# KiCad board HVC-CPU-GPM-02.kicad_pcb (continued)
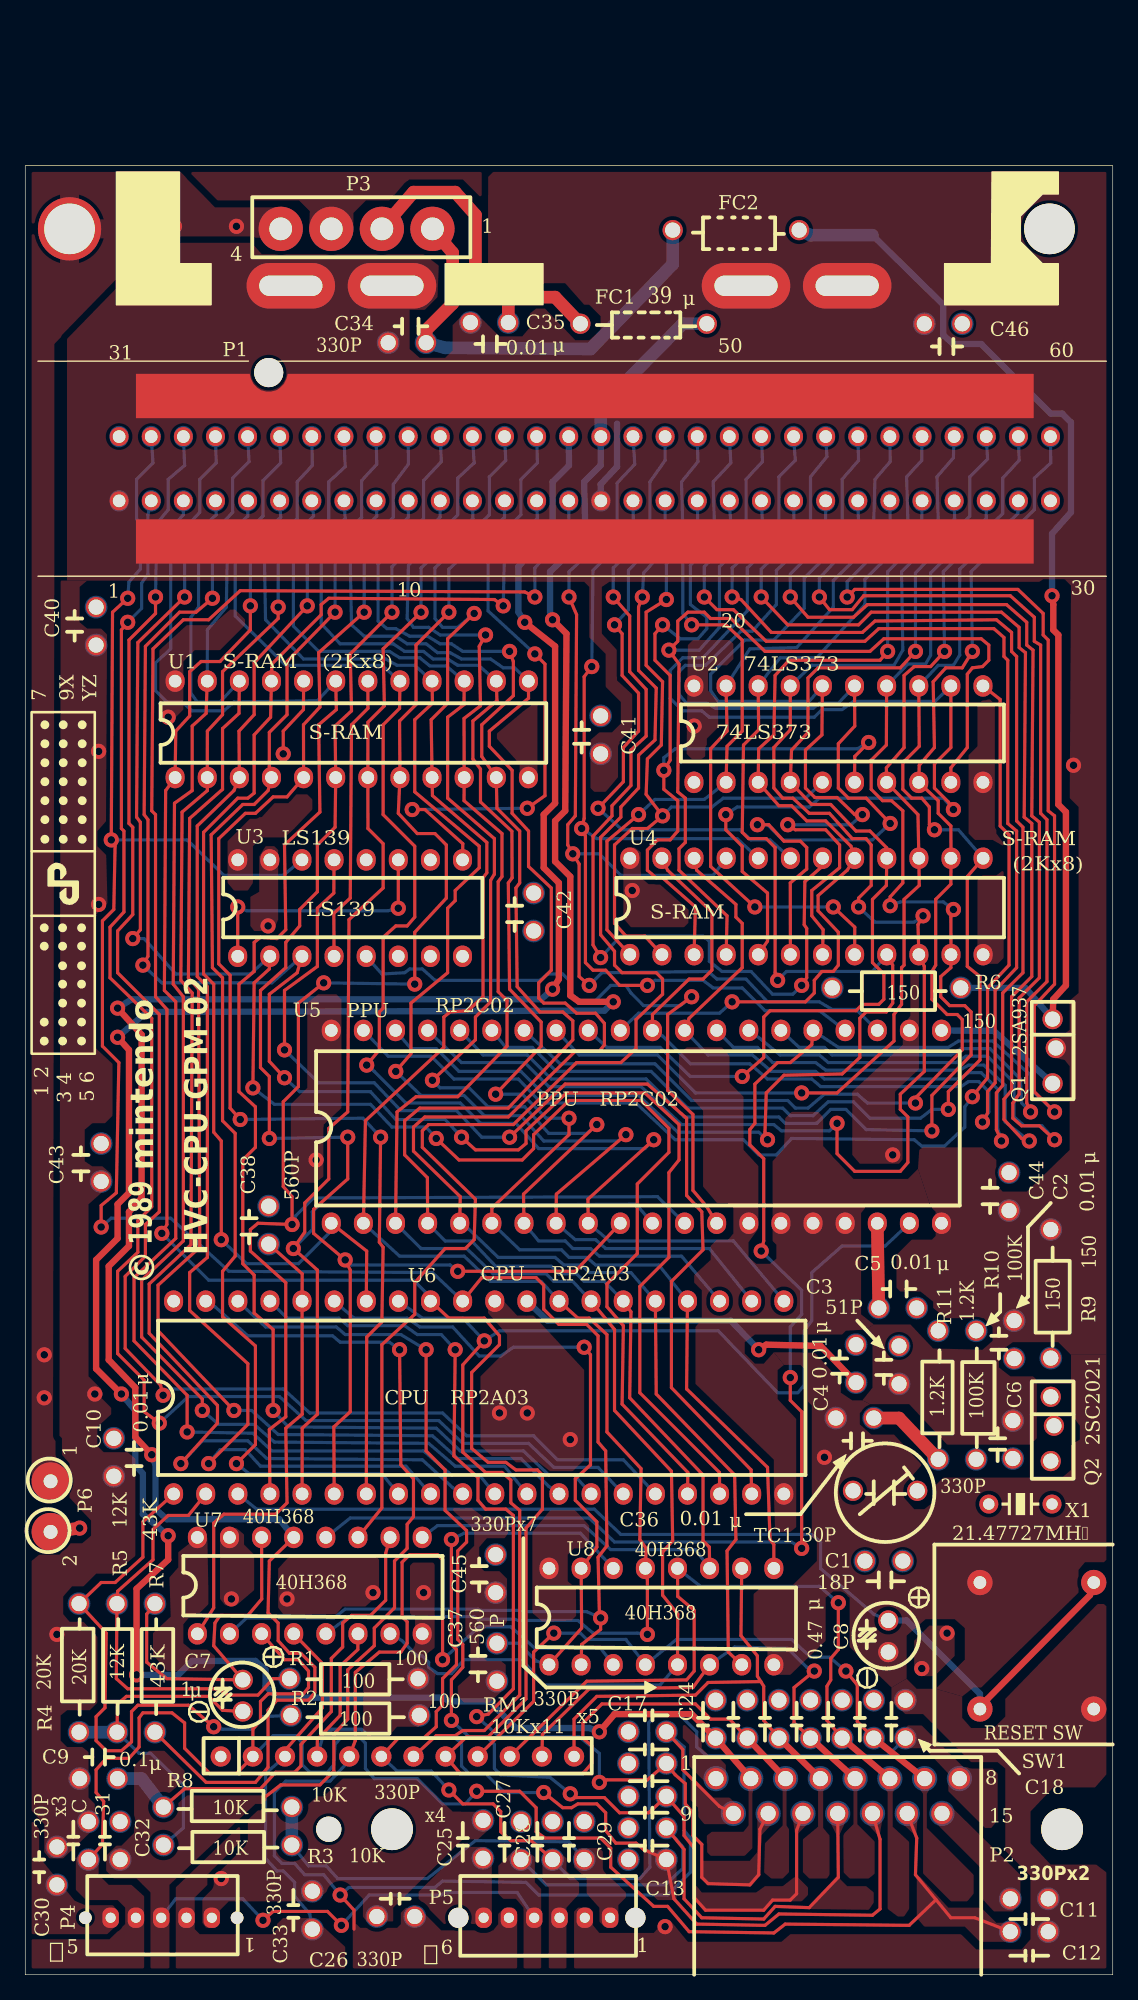
[diagram p0: board, top side]
## Copper pours and planes (outline as drawn; the poured copper is in the pictures) (continued)
+5V on Top: 21,63.2 21,68.8 22.3,70.1 22.3,76.8 23.1,77.5 24.6,77.5 25,77.1 25,68.5 23.6,67.2 23.6,63.1 22.9,62.6 21.7,62.6
+5V on Top: 12.45,143 15.2,140.25 21.65,140.25 22.5,139.4 22.45,138 25.95,138 25.95,139.25 26.95,140.25 28.95,140.25 30.35,141.9 34.6,141.9 36.1,140.4 36.1,143
+5V on Top: 47.3,83.5 47.9,82.8 52.1,82.8 52.5,83.2 52.5,84.2 50.4,86.2 49.3,86.2 48.7,86.7 48.7,88.7 48.2,89.1 47.6,89.1 47.3,88.9
+5V on Bottom: 70.7,75.9 70.7,74.6 69.1,74.6 69.1,75.4 68.5,76 67.3,76 66,77.2 63.8,77.2 63.8,78.8 67.7,78.8
+5V on Bottom: 2.8,106 2.8,95.6 4.8,95.6 4.8,97.3 5.3,97.7 17,97.7 17.6,98.4 49,98.4 50,97.4 65.2,97.4 66.2,98.4 67.5,98.4 67.9,98 83.1,98 84,97 86,97 86,143 25.4,143 22.6,139.9 22.5,137.9 26,137.9 26,139.2 27.3,140.5 33.4,140.5 35.5,138.4 49.8,138.5 50.4,139.1 51.9,139.1 52.4,138.6 52.4,137.5 52.9,137 59.3,137 59.7,137.5 59.7,138.5 60.4,139.1 62.1,139.1 62.7,138.5 67.2,138.5 73.3,132.3 73.3,130.5 74.2,129.6 76,129.6 81.4,124.3 82.4,124.3 83.5,123.3 83.5,115 82.4,113.7 82.4,108.5 81.9,107.8 80.9,107.8 80,108.5 80,113.7 81.7,115.5 81.7,116.5 80.4,116.5 80.4,115.8 76.2,111.7 76.3,104.2 77.3,103.3 77.3,101.5 76.7,100.8 73.1,100.8 72.6,100.3 65.8,100.3 64.9,99.5 63.2,99.5 62.6,99 53.6,99 53.1,99.5 51.5,99.5 50.3,100.7 50.3,103.5 49.7,104.1 49.7,105.7 49,106.4 47.9,106.4 45.7,104.4 45.7,103.2 45.1,102.4 44.6,102.4 43.9,102.9 43.9,103.8 44.1,104.2 44.1,106 43.8,106.2 42,106.2 41.5,105.5 41.5,101.4 40.9,100.7 24.2,100.7 23.7,100.2 16.8,100.2 16.1,99.5 12.6,99.5 11.9,100.1 10.4,100.1 9.6,100.9 9.6,105.3 9,105.8 6.9,105.8 6.9,104.3 6.3,103.8 4.9,103.8 4.4,104.3 4.4,106
+5V on Bottom: 44.8,127 44.8,124.7 43.4,123.4 9.6,123.4 8.8,122.7 8.8,121.7 6.3,119.5 6.3,115.8 8.5,113.9 8.5,111.2 7,109.8 7,106.4 7.6,105.8 6.9,105.8 6.4,106.4 5,106.4 4.4,106 2.8,106 2.8,128.6 3.3,129 7.7,129 11.5,132.9 14.3,132.9 18,129.4 21.7,129.4 23.7,127.4 44.4,127.4
+5V on Bottom: 0,0 0,30.9 3.8,30.9 2.9,30.2 2.9,29.2 1.5,27.9 1.5,25.9 3,24.3 6.4,24.3 8,22.7 12.4,22.7 13.6,24 15.3,24 15.7,23.6 15.7,21.3 15.4,20.9 14.6,20.9 14,20.4 14,19 15.5,17.7 15.5,17.2 18.5,14.4 18.5,8.7 19.6,7.6 19.9,7.6 20.7,6.8 20.7,5.9 21.4,5.1 21.4,2.9 19.2,3.1 19.8,3.7 19.8,4.9 19,5.6 18.5,5.6 16.8,7.3 16.8,8.6 13.1,12.3 13,15.3 11.6,16.8 11.6,20 11.1,20.6 3.5,20.6 3,20.1 3,14.3 1.2,12.4 1.2,9.5 2,8.6 3.1,8.5 3.6,8 3.5,3.9 4.2,3.3 5.5,3.3 6.1,4 6.1,4.5 7.4,4.5 7.4,3.7 8.1,3.1 8.1,0
+5V on Bottom: 5.8,88.9 5.8,90.4 2.8,90.4 2.8,63.5 4.8,63.5 5.4,64 7,64 7.6,63.6 52.1,63.6 52.7,63 56.5,63 57.2,62.3 63.1,62.2 64.2,63.3 72.6,63.3 72.6,65 70.6,65 70.1,65.5 61.2,65.5 60,64.3 57.7,64.3 56.6,65.4 51.6,65.4 50.9,64.8 40.1,64.8 39.7,65.2 17.5,65.2 15.8,67 15.8,69.8 19.9,74 24.2,74 24.2,75.4 10.4,75.4 8,73.1 6.6,73.1 6.1,73.6 6.1,81.7 4.8,83 4.8,85.4 5.4,85.9 6.2,88.5
+5V on Bottom: 8.1,3.1 8.1,0 86,0 86,7.2 85,8.2 80.5,8.3 80.2,7.2 81.5,7.2 82.2,6.7 82.2,2.8 81.7,2.2 77.3,2.2 76.7,2.6 76.7,4.2 54,2.9 50.1,2.9 49.91,3.1 37.4,3.1 36.9,3.6 36.9,4.5 35.6,4.5 35.6,3.5 34.9,2.8 25.9,2.8 25.4,2.3 22,2.3 21.4,2.9 19.2,3.1
+5V on Bottom: 54,2.9 59.5,8.5 75.5,8.5 76.8,9.8 76.8,20 77.3,20.5 77.3,22.2 76.4,23.1 75.7,23.1 69,29.8 68.2,29.8 67.7,30.3 67.7,32 68.2,32 68.7,31.5 70.2,31.5 74.5,35.7 76.9,35.7 77.4,36.2 83.8,32.8 83.2,32.1 83.2,30.3 83.7,29.8 85,29.8 86,28.7 86,23.6 85.3,22.8 83.9,22.8 83.1,22 83.1,20.7 84,19.8 85.2,19.8 86,18.8 86,16.5 85.1,15.3 80.5,15.3 78.7,13.5 78.7,10.1 80.5,8.3 80.2,7.2 78.1,5.1 77.5,5.1 76.7,4.2
+5V on Bottom: 4.8,95.6 5.4,95.1 10,95.1 10.6,94.6 10.6,93.5 11.2,92.9 27.9,92.9 30.1,91.2 31.4,91.2 31.8,91.7 38.5,91.7 39,91.1 41.3,91.1 42.3,90.2 42.3,87.9 42.7,87.6 45.5,87.6 46.7,86.4 54.9,86.5 55.2,86.9 76.8,87 77.3,87.5 77.3,92.8 77.8,93.2 83,93.2 84,94 84,97 86,97 86,65 82,65 82.4,65.4 82.4,72 83,72.5 83,74.2 82.4,74.8 82.4,76.8 82.2,77 81.3,77 80.5,77.8 80.5,82.4 78.6,84.2 75,84.2 73.6,85.5 63.3,85.5 62.8,84.9 58.9,84.9 58.4,85.4 56.7,85.4 56,84.5 40,84.5 39.7,84.7 31,84.7 30.4,85.4 28.6,85.4 27.9,84.7 18.3,84.7 17.5,85.4 15,85.4 14.5,85.9 5.4,85.9 6.2,88.5 7.6,88.5 8.2,89.1 12.5,89.1 15.4,86.3 21,86.3 21.5,86.8 35.1,86.8 35.9,87.4 35.9,89.2 35.4,89.7 18.1,89.7 17.5,89.1 17.5,88.1 16.2,87.6 13.5,90.1 8,90.1 7.3,90.8 6.2,90.8 5.8,90.4 2.8,90.4 2.8,95.6
+5V on Bottom: 4.8,58.8 5.8,57.8 9.7,57.8 12.5,55.2 12.5,52.2 12.9,51.8 14.6,51.8 16.2,50.1 23.9,50.1 24.5,49.5 27.6,49.5 28.7,48.2 44.7,48.3 47,50.4 54.3,50.4 59.3,45.3 61.4,45.3 62.3,46.4 62.4,50.7 62.8,51.1 62.8,55.1 64.8,57 68.3,57 69.6,58.2 73.2,58.2 73.7,58.8 73.7,62.3 72.6,63.3 72.6,65 85.99,65 86,32.8 83.8,32.8 77.4,36.2 77.4,38 76.8,38.6 72.6,38.6 71.6,39.6 69.9,39.6 69.3,39 69.3,34.6 68.2,33.4 68.2,32 67.7,32 67.7,33.2 66.8,34.3 66.8,38.3 69,40.5 70.9,40.5 71.5,41.1 73,40.6 74.2,39.5 79.2,39.5 80,38.6 80,36.2 80.4,35.8 82.1,35.8 82.7,36.5 82.7,36.9 84,38.3 84,43.1 82.5,44.6 82.5,49.5 81.9,50 77,50 76.5,50.4 76.5,51.4 76,52.1 73.2,52.1 71.2,54 67,54 67,51 65,51 64.5,50.5 64.5,46 65.1,45.4 67.4,45.4 68,44.9 68,43.8 67.5,43.1 66.9,43.1 66.2,43.4 66.1,44.1 64.7,45.2 63.4,45.2 61.2,43.1 53.8,43.1 51,45.8 36.4,45.8 35.2,46.8 24.1,46.8 22.5,48.6 12.9,48.6 10.9,50.5 5.1,50.5 4.5,49.9 4.5,45.4 5.1,44.7 6.9,44.7 8,43.7 8,41.1 7.6,40.7 6.5,40.7 5.8,40.1 5.8,38.7 6.4,38 8.2,38 8.5,37.6 8.5,35.5 10.4,33.6 12.7,33.6 12.9,33.8 12.9,34.6 14.4,34.6 14.4,33.8 14.9,33.1 34.3,33.1 35.4,34.3 41.9,34.3 42.5,33.8 42.5,31.2 43.1,30.6 52.4,30.5 52.9,30.1 62.1,30.1 64,28.3 66.1,28.3 66.8,27.6 66.8,25.1 67.4,24.5 70.9,24.5 70.9,23.2 67.3,23.2 64.7,25.8 62.3,25.8 61.2,27 51,27 50,28 47.5,28 46.4,29.1 39.5,29.1 38.7,30 38.7,30.8 38,31.5 23.5,31.5 22.9,30.9 0,30.9 0.1,34.6 3.7,38.3 3.7,40 3,40.7 3,42.5 2.8,42.7 2.8,63.5 4.8,63.5
GND on Top: 75.3,100.4 75.8,100.8 76.3,100.8 76.8,100.3 76.8,90.2 77.4,89.4 77.4,80.4 76.9,79.9 75.8,79.9 75.3,80.6 75.3,86.5 75.7,86.9 76.8,86.9 77.2,87.2 77.2,89.3 76.5,89.7 75.1,89.7 74.6,90.2 74.6,96.4 75.3,97.1
GND on Top: 36,47.3 36,41.8 36.9,41 38.3,41 38.8,40.5 40.6,40.5 41.5,39.8 43.3,39.8 44.2,40.7 44.2,47.8 40.2,52.1 38.9,52.1 37.5,53.6 36.6,53.7 36.6,52.3 38.1,50.6 38.1,49.4
GND on Top: 36.7,21.5 34.7,21.5 34.2,22 34.2,22.8 35.2,23.7 35.2,26.4 34.8,26.8 34.8,33.2 35.5,33.9 35.5,35.2 33.8,36.7 33.9,36.9 35.3,36.9 36.2,36.2 37.7,36.2 38.2,35.8 38.2,34.9 37.9,34.5 36.5,34.5 35.9,33.8 35.9,32.3 36.3,31.9 37.5,31.9 38.1,31.3 38.1,27.9 37.8,27.5 36.5,27.5 35.9,26.9 35.9,25.4 36.5,24.8 37.6,24.8 38,24.5 38,22.7
GND on Top: 2.8,110.2 4.9,110.2 4.3,109.7 4.3,106.9 4.9,106.4 6,106.4 6.5,105.9 6.5,91.3 5.7,90.4 5.7,89.2 6.4,88.5 6.5,84.7 5.5,83.7 5.5,73.3 6.9,72 6.9,67.9 6.3,67.3 5.3,67.3 4.7,66.8 4.7,64.3 5.3,63.9 6.1,63.9 6.8,63.3 6.8,62.5 5,60.9 5,47.3 6,46.3 6,45.6 6.8,44.8 6.8,44.3 5.7,43.3 5.7,41.8 6.2,41.3 8.1,41.3 8.7,40.8 8.7,33.1 7,31.7 5.6,31.7 4.6,30.7 3.7,30.7 3,29.9 3,28.5 3.5,27.9 4.6,27.9 5.7,26.7 5.7,21.5 5.1,20.9 3.3,20.9 2.8,20.5 2.8,18.5 3.3,18 4.5,18 5,17.6 5,14 5.5,13.5 5.5,11.6 3,9.2 1.9,9.2 1.5,9.7 1.5,11.9 0,13.5 0,32.3 1.1,33.2 2.7,33.2 3.5,34.1 4.5,34.1 5.2,34.7 5.2,35.9 3.5,37.7 3.5,40.4 2.9,41.1 2.9,42.4 2.7,42.6
GND on Top: 24.4,7.1 25.6,7.1 26.7,6 26.7,4.6 27.2,3.9 28.8,3.9 29.1,4.2 29.1,5.3 34.6,10.7 35.8,10.7 36.8,11.6 36.8,12.5 36.2,12.9 33.8,12.9 31,15.5 25.1,15.5 23.6,14.1 23.1,14.1 22.3,13.4 22.3,13 18.4,13 17.6,12.4 17.6,10.6 14.7,7.6 14.7,6.9 14,6.2 14,4.1 14.3,3.7 15,3.7 15.4,4.1 15.4,5.1 16.1,5.8 23,5.8
GND on Top: 45.9,93.5 45,93.5 44.7,93.8 44.7,97.6 45.4,98.2 46.4,98.2 47.1,98.9 47.1,100.6 45.9,101.8 45.9,104.4 44.6,105.7 44.6,109.7 44.2,110.1 3.3,110.2 3.3,129.3 10.7,136.9 17.9,136.9 18.7,136 31.5,136 32.7,135.1 32.6,132.6 31.6,131.6 30.4,131.6 30.4,128.5 31.2,127.8 33.2,127.8 33.8,128.4 33.8,130.4 34.7,131.3 35.7,131.3 37.5,129.5 39.3,129.5 39.9,130.2 39.9,131.3 40.4,131.7 41.1,131.7 43.5,129.2 44.6,129.2 45.5,130 45.5,131.1 44.6,132 44.2,132 42.7,133.7 37.3,133.7 36.6,134.3 36.6,142.1 37.5,143 86,143 86,110.3 80.5,110.3 80.2,110.1 46.2,110.1 45.6,109.7 45.6,106 46.8,104.7 46.8,102.3 48,101.2 48,98.5 47,97.5 47,94.8
GND on Top: 55.4,16.6 55.4,15.4 54,15 52.5,16.5 52.5,18.2 52,18.7 52,19.9 53.5,18.5 53.5,17.9 54.1,17.3 54.7,17.3
GND on Top: 18.1,33.2 17.3,34 17.3,34.8 16.7,35.3 15.9,35.3 15.4,34.7 15.4,29.7 15.8,29.2 16.7,29.2 18.1,30.4
GND on Top: 20,32.1 20,29 20.4,28.5 24.6,28.5 25.1,29.1 26.9,29.1 28,30.1 28,32.8 27.6,33.2 21,33.2
GND on Top: 17.8,82.9 18.1,82.5 19.6,82.5 20,83.4 20,88.9 19.7,89.2 19,89.2 18.5,88.4 18.5,85.6 17.8,85.2
GND on Top: 85.3,32.6 86,33.3 86,49 82.7,49 82.7,44.3 83.4,43.4 83.4,42.3 82.7,41.9 82.7,39.9 82,39.3 72.6,39.3 72,38.7 72,37.5 71.1,36.8 70.3,36.8 69.5,37.7 69.5,38.7 70.9,40.3 68.7,42.7 66.9,42.7 66,43.5 66,44.4 66.8,45.1 66.2,45.4 65.4,45.4 64.5,46 64.5,46.9 62.4,49.2 59.2,49.2 60,48.2 61.3,48.2 61.6,47.9 61.6,45.6 62.2,45 62.2,34.6 62.6,34.2 62.6,32.7 60.5,30.6 58.2,30.6 57.6,30.1 57.6,26.9 58.7,25.8 58.7,24.5 59.2,23.7 60.5,23.7 63.3,26.4 63.3,29.8 63.9,30.3 64.5,30.3 65.2,29.8 65.2,25.9 68.5,22.7 69.7,23.4 69.7,26.8 71.2,28.1 73.5,28.1 74.3,27.4 74.3,24.9 72,22.6 74.1,22 75,22.7 75.6,22.7 83.3,30.2 83.3,32 83.8,32.6
GND on Top: 43.4,5 43.4,0 86,0 86,7.7 84.7,8.7 81.1,8.7 79.5,10.4 79.5,12.9 81.3,14.8 84.6,14.8 86,16.4 86,28.7 85.3,29.3 84.8,29.3 77.5,21.8 77.5,20.4 76.6,19.5 74.8,19.5 74.1,20.3 74.1,22 72,22.6 70.5,22.6 69.7,23.4 68.5,22.7 68.5,21.6 69.6,20.6 71,20.6 74.8,16.8 76.9,16.8 77.5,16.3 77.5,9.8 79.5,7.8 79.5,2.8 78.8,2 75.2,2 74,3.2 60.5,3.2 59.8,2.6 52.4,2.6 51,4.3 50.6,4.3 49.7,3.3 45.4,3.3 44.9,3.9 44.9,5 44.6,5.3 43.7,5.3
GND on Top: 69.9,45.1 66.8,45.1 66.2,45.4 67,46.4 67,50.5 66.5,51 67.1,51.4 70,51.4 71.8,49.5 75.7,49.4 76.5,50.1 76.5,51.2 75.8,51.9 72.8,51.9 71.8,52.7 71.8,53.2 70.8,54 69.2,54 68.9,54.3 68.9,56.9 70.1,58.1 71.7,58.1 72,58.4 72,60.3 71.6,60.7 70.6,63.7 70.7,65.2 71,65.4 75.7,65.4 76.8,64.4 76.8,62.4 77.3,61.9 79.2,61.9 82.6,65.2 82.6,71.8 82.2,72.3 81.3,72.5 81.4,74 81.9,74.1 82.6,74.7 82.6,77 83.3,77.6 83.3,92.3 82.6,93 82.7,109.8 82.2,110.3 86,110.3 86,49 82.7,49 81.7,50 78.1,50 77,49.2 77,48 77.9,47.3 79.7,47.3 80,47 80,42.4 79.5,41.9 72.9,41.9
GND on Top: 29.4,19.6 28.6,18.7 27.1,18.7 26.7,19.1 26.6,23.4 28.4,25.2 30,25.2 30.7,25.8 30.7,28 30.3,28.6 30.3,32.3 30.8,32.8 32.1,32.8 32.6,32.1 32.6,26 31.8,25.4 31.8,24.5 32.5,23.7 32.5,21.8 31.3,20.4 31.3,19.8 31.1,19.6
GND on Top: 40.5,100.7 37.3,98.3 37.3,97.7 39.1,95.7 39.1,94.6 40.5,94.6
GND on Top: 59.2,35.5 59.7,35 60.5,35 61,35.4 61,43.9 59.5,45.5 59.5,47.8 60,48.2 59.2,49.2 58.4,48.3 57.7,48.3 56.9,49.1 56.9,50 57.7,50.6 64.6,50.6 64.9,50.9 66.5,51 67.1,51.4 66.1,52.2 66.1,60.2 66.5,60.7 71.6,60.7 70.6,63.7 69.8,62.9 65.5,62.9 63.1,65.5 63.1,67.8 62.7,68.2 60.6,68.2 60.1,67.7 60,65.3 59.1,64.3 59.1,58 59.4,57.7 59.4,56.6 58.9,56.2 57.8,56.2 57.2,56.7 57.2,57.9 58,59 58,63.9 56.8,65.2 56.8,69.4 55.7,70.5 55.7,72.6 55.1,73.3 52.3,73.3 51.7,72.7 51.7,70.4 53.6,68.3 53.6,62.3 54.7,61 55.5,61 56,60.6 56,58.6 55.6,58.1 54.7,58.1 54.2,57.6 54.2,56.5 52.9,55.3 52.9,54.7 53.5,54.1 53.5,51.8 53,51.2 53,46.7 59.2,40.71
GND on Bottom: 47.1,122.5 46.5,122.5 46.5,122.8 45.3,125.4 45.3,127.5 54.2,136.5 66.6,136.5 80,123 47.7,122.9
GND on Bottom: 6,60.4 5.2,61.2 5.2,62.7 6.6,63.1 51.7,63.2 52.4,62.5 56.2,62.5 57.2,61.6 63.3,61.6 64.5,62.7 72.2,62.7 73.2,61.8 73.2,59.4 71.7,59.4 71.7,60.3 71.3,60.8 65.9,60.8 65.5,60.3 65.6,59.4 64.5,58.7 57.5,58.7 56.4,59.4 56.4,60.1 55.7,60.7 51.9,60.7 50.6,61.9 21.9,61.9 20,60 20,59.4 19.5,58.9 18.5,58.9 18,58.4 18,58.1 17.6,57.6 17.2,57.6 16.7,58.1 16.7,58.6 14.6,60.4
GND on Bottom: 82.8,93.8 76.4,93.8 74.7,95.8 54.1,95.7 52.3,93.4 39.7,93.4 39,93.9 39,95.3 38.6,95.7 5.8,95.7 5.2,96.3 5.2,96.7 5.8,97.3 17.5,97.3 18,97.9 48.7,97.9 49.5,97 49.5,94.8 50.1,94.1 51.2,94.1 51.5,94.5 51.5,96 52,96.4 67.4,96.4 68.4,97.5 82.7,97.5 83.6,96.5 83.6,94.5
GND on Bottom: 46.6,36.2 47.4,35.4 62.5,35.5 63.2,36.1 63.2,38.3 64.9,40.1 64.9,44 63.3,44 61.7,42.6 53.7,42.6 50.6,45.4 36,45.4 34.9,46.4 23.7,46.5 22,48.2 12.4,48.2 10.5,50.1 5.6,50.1 5,49.4 4.9,45.9 6.1,45.9 6.1,46.3 6.7,46.8 20.6,46.8 22.9,44.9 33.2,44.9 35.1,43.1 40.7,43.1 42.4,41.3 47.5,41.3 49.4,39.5 58.8,39.6 59.3,39.2 59.3,37.7 58.6,36.9 46.8,36.9 46.6,36.7
GND on Bottom: 22.1,130 24,128.1 30.1,128.1 30.5,128.6 30.5,130 30.8,130.3 33,130.3 33.9,129.6 36.4,129.6 36.8,130 36.8,131.3 37.6,132.1 39.1,132.1 39.8,131.3 39.8,130 40.2,129.6 41.9,129.6 42.5,130.1 42.5,131 43.5,132.1 46.6,132.1 49.8,135.4 49.8,137.5 49.4,137.9 35.2,137.9 33.2,135.7 19,135.7 17.8,134.5 17.8,130.5 18.3,130
GND on Bottom: 4.5,10.6 8.1,10.6 8.8,10 8.8,7.3 9.3,6.7 15.6,6.7 16.1,7.1 16.1,8.4 15.5,8.9 10.2,8.9 9.7,9.4 9.7,12.4 9,13 2.6,13 1.7,12.1 1.7,10.1 3,9.5
GND on Bottom: 22.3,19.6 22.5,19.4 23.5,19.4 24.1,19.9 26.9,19.9 27.4,19.5 32.1,19.5 32.5,19.9 32.5,20.8 32,21.3 22.6,21.3 22.3,21
GND on Bottom: 50.6,3.2 53.5,3.2 59,9 75.2,9 76.2,9.9 76.2,19 75.4,19.8 74.7,19.8 74.2,20.3 74.2,21.7 73.2,22.7 61.8,22.7 61.4,23.1 61.4,23.9 59.6,25.2 58.4,24.5 58.4,23.6 57.7,22.9 51.2,22.9 50.6,22.4 40.8,22.4 39,24.3 35.1,24.3 34.1,23.3 32.1,23.3 29.7,25.7 15.7,25.7 15.2,26.2 15.2,27.7 15.7,28.2 16.6,28.2 17.1,28.7 24.2,28.7 24.9,29.4 37.2,29.4 37.2,31 24,31 23.3,30.4 12.4,30.4 11.6,29.8 11.6,28.7 11,28.1 2.6,28.1 1.9,27.4 1.9,26.2 3.3,24.9 11.9,24.9 12.5,25.6 12.5,27.7 13,28.1 14.5,28.1 14.8,27.8 14.8,26.1 15.5,25.4 21.5,25.4 22.3,24.5 22.3,23 22.7,22.5 37,22.5 39.3,20.1 46.4,20.1 46.8,19.7 46.8,14.3 45.9,13.4 35.6,13.4 35.2,13.1 32.7,13.1 30.8,15 27.1,15 26.4,15.6 25.6,15.6 24.6,14.7 22.8,14.7 22.3,14.2 22.3,9.8 22.7,9.3 24.2,9.3 25.3,8.2 31.6,8.2 35.1,11.1 44.7,11.1 47.1,8.5 48.3,8.5 48.8,9.3 48.8,20.3 49.4,21 52.5,21 53.3,20.2 70.2,20.2 71,19.4 71,17.7 71.5,17.2 74.4,17.1 75.2,16.3 75.2,13.4 73.4,11.5 55.3,11.5 54.7,12.2 54.7,16.3 53.1,16.3 52.7,15.9 52.7,11.5 53.1,11.1 53.1,7.8 50,4.6 50,3.8
GND on Bottom: 5.2,83.5 5.2,84.7 5.9,85.3 14.3,85.3 16.1,83.4 30.2,83.4 30.9,84.1 39.5,84.1 39.9,83.8 56.5,83.8 56.8,83.5 58.4,83.5 58.7,83.8 62.8,83.8 63.3,83.4 65.9,83.4 66.6,82.7 71.8,82.7 72.2,83.1 74,83.1 74.5,83.7 78.2,83.7 79.9,82 79.9,79.3 79.3,78.7 74.9,78.7 74.9,77.2 78.7,77.2 79.9,76 79.9,75.1 81.3,74 81.5,74 81.5,72.4 80.5,72.4 76.9,75.5 73.8,75.5 73.3,76 71.4,76 68.4,78.9 68.4,79.2 68.6,79.4 68.9,79.4 69.2,79.7 69.2,81.8 69.1,81.9 55,81.9 54.2,82.7 46,82.7 42.9,79.7 34.6,79.7 33.8,80.5 33.8,81.5 33.5,81.9 15.7,81.9 15.6,81.8 15.6,80.4 15.1,79.8 12.4,79.8 9.7,82.8 5.9,82.8
/Controllers/4016_CUP on Top: 71.1,3.8 70.5,4.5 70.5,7.6 70.7,7.8 73,5.3 75.6,5.3 76.8,4.1 77.9,4.1 77.9,2.6 75.5,2.6 74.3,3.8
/Controllers/4016_CUP on Top: 5.8,7.9 6.6,7.1 8.4,7.1 9.4,6.2 9.4,0 0,0 0.02,2.8 6.65,2.8 7.9,4 7.9,5.3 7.3,5.9 4.8,5.9 4,6.7 4,9.2 4.5,9.8 5.5,9.8 5.8,9.3
/Controllers/4016_D0 on Top: 25.3,2.2 25.3,0 11.9,0 11.9,6.9 17,11.8 17,10.5 14.4,7.9 14.4,7.1 13.4,6.1 13.4,3.6 13.8,3.2 19.5,3.2 19.9,3.6 19.9,4 20.4,4.5 22.8,4.5
/Controllers/4016_D1 on Top: 50,5.9 48.4,7.5 48.9,8.1 48.9,9.9 50.7,9.9 51.5,9 51.5,5.9
/Controllers/4017_CUP on Top: 25.9,0 25.9,4 26.2,4 26.5,3.7 29.4,3.7 29.7,4 29.7,4.9 30.1,5.3 31.5,4.9 32.9,3.5 37,3.5 37.4,4 37.4,4.8 37.9,5.3 38.6,5.3 38.9,5 38.9,0
/Controllers/4017_CUP on Top: 53.7,11.9 56.1,11.9 56.1,13.6 55.7,14 54.4,14 52.6,15.8 52.6,13.8 53.2,13.2 53.2,12.5
/Controllers/4017_D0 on Top: 41.4,6.9 41.4,0 42.8,0 42.8,5.3 43.8,6.4 43.8,7.3 42.8,8.2 42.8,9.2 42,9.9 41.3,9.9 40.9,9.4 40.9,7.4
/Controllers/4017_D0 on Top: 70.9,19.7 69.8,19.7 69.1,18.9 69.1,18.3 69.6,17.9 71.1,17.9 73,15.9 73,14.5 75.9,11.6 76.4,11.6 76.9,12.2 76.9,15.9 76.4,16.4 74.2,16.4
/Controllers/4017_D1 on Top: 71,8 71,14.3 70.4,15.2 71.8,15.2 71.3,14.3 71.3,11.6 75,7.9 75,6.4 74.5,5.8 73.2,5.8
/Controllers/4017_D2 on Top: 69.9,10.5 69.9,5.2 69.5,4.6 69,4.6 68.2,5.2 68.2,14.4 67.8,15 69,15 68.6,14.4 68.6,11.7
/Controllers/4017_D3 on Top: 64.7,8.1 65.2,7.6 66.7,7.6 67.2,8 67.2,10.5 65.8,11.9 65.8,14.5 66.4,15.2 64.9,15.2 65.5,14.5 65.5,11.9 64.7,11.1
/Controllers/4017_D4 on Top: 61.5,8.1 62,7.6 63.4,7.6 63.6,7.9 63.6,11 63.1,11.6 63.1,14.5 63.6,15.2 62.1,15.2 62.7,14.5 62.7,11.7 61.5,10.7
/MIC on Top: 44.4,7.6 44.4,6.4 45.4,5.3 45.4,4.2 45.9,3.7 46.6,3.7 46.9,4.1 46.9,5.5 47.5,6.1 47.5,6.5 45.8,8.2 45.8,9.7 45.5,10 43.8,10 43.4,9.7 43.4,8.5
/OUT0 on Top: 39.4,5.3 39.4,0 40.8,0 40.8,6.8 40.3,7.3 40.3,9.3 39.5,9.9 38.7,9.9 37.3,8.5 37.3,6.5 37.8,6 38.8,6
/OUT0 on Top: 11.4,7.1 18.2,13.5 18.8,13.5 19.1,13.8 19.1,14.3 13.2,14.3 12.6,15.6 12.6,16.3 11.2,17.7 9.8,17.7 8.6,16.5 8.6,11.2 7.6,10.2 7.2,10.2 6.4,9.4 6.4,8.2 7,7.6 8.8,7.6 9.9,6.5 9.9,0 11.4,0
/OUT0 on Top: 65,7 66.5,7 67.1,6.5 67.1,5.7 66.7,5.1 62,5.1 62,5.5 64.2,7.8
/OUT1 on Top: 61.4,5.8 61.9,6.3 61.9,6.9 61.1,7.7 60.8,7.7 59.9,7 58.5,7 57.8,6.5 53.5,6.5 53.1,7 52.8,7 52.8,6.1 53.7,5 58.4,5 59.1,5.8
/OUT2 on Top: 57.3,9 57.9,9.7 57.9,12.8 59.3,12.2 58.2,11 58.2,7.9 57.4,7 54,7.1 53.4,7.6 53.4,9
/POWER on Top: 20.3,139.7 15,139.7 11.8,143 0,143 0,39 0.8,38.1 2.7,38.1 2.8,40.2 2.5,40.6 2.5,42.2 2.3,42.4 2.3,128.9 10.4,137.3 20.3,137.3
/POWER on Bottom: 21.4,139.3 18,143 0,143 0,39 0.8,38.1 3.2,38.1 3.2,39.7 2.5,40.6 2.5,42.2 2.3,42.4 2.3,128.9 3.1,129.7 7.7,129.7 11.2,133.3 16.7,133.4 17.3,134 17.3,135.2 18.7,136.6 21,136.6
/SOUND+CART on Top: 54.3,11.3 53.9,11 53.9,9.7 54.2,9.4 56.9,9.4 57.5,10 57.5,14.3 57.8,15.4 56.8,15.4 57.2,14.5 57.2,11.8 56.8,11.3
/~{IRQ} on Top: 59.9,7.6 59,7.6 58.4,8.1 58.4,10.3 59.9,11.8 59.9,14.5 59.5,15 60.6,15 60.2,14.5 60.2,11.8 60.4,11.5 60.4,8.1
Net-(C1-Pad2) on Bottom: 68.8,33.4 69.9,34.3 69.9,37.8 71,38.9 72.4,37.9 76.1,37.9 76.2,36.5 74.2,36.5 69.6,32
Net-(Q2-B) on Bottom: 66.2,32.1 64.7,33.4 64.7,38.2 65,38.9 68,42.4 69.8,42.4 71.2,43.7 74.1,43.7 76.3,41.5 81.3,41.5 81.3,40 75.6,40 73.4,42.3 71.5,42.2 70.1,40.9 68.6,40.9 66,38.2 66,34.2 67.2,33.3
Net-(Q2-C) on Bottom: 82.4,39.1 80.8,37.8 81.6,36.6 83.4,38.6 83.4,42.3 81.8,43.8 81.2,43.8 75.9,49.2 75.9,50.9 75,51.5 72.7,51.5 71.1,53.3 69.7,52.4 69.7,51.2 69.1,50.5 65.7,50.5 64.9,49.7 64.9,48.6 65.3,48.1 69.7,48.1 70.4,47.5 70.4,45.4 70.9,44.9 78.7,44.9 81.4,42.3 81.9,42.3 82.4,41.9
Net-(Q2-E) on Bottom: 78.2,49.5 81.1,49.5 81.9,48.8 81.9,45.7 80.5,45.7 77.6,48.6

Small or netless copper shapes (teardrops, artwork), in the pictures only: 5 on Top

## Text on the board
F.Silkscreen: ⊕ | ⊖ | 10K | 40H368 | 330P | 100 | x4 | 330Px7 | 30P | 150 | RESET SW | 20K | x3 | 12K | 0.47 | 1.2K | 100K | 2SA937 | 330Px2 | 0.1 | μ | 1 | PPU | CPU | RP2C02 | RP2A03 | 10Kx11 | 0.01 | x5 | 18P | 51P | 7 | 1 2 | 3 4 | 9X | C | 5 6 | YZ | 31 | 560P | 560 | P | 2SC2021 | 39 | S-RAM | LS139 | (2Kx8) | 74LS373 | 43K | 1989 | Ⅰ | Ⅱ | HVC-CPU-GPM-02 | mintendo | ©
